# Altium PCB kunkun.PcbDoc (part 1 of 8)
Units mil, origin at the board's own origin, x right, y up, seen from the top; angles counter-clockwise.
Board outline 11417.32 x 6911.54 mil, 2 copper layers (Top Layer, Bottom Layer), stack 28 mil thick; 1172 components, 690 nets, 3402 pads, 1297 vias.
Unrouted connection lines stored in the file: 210.
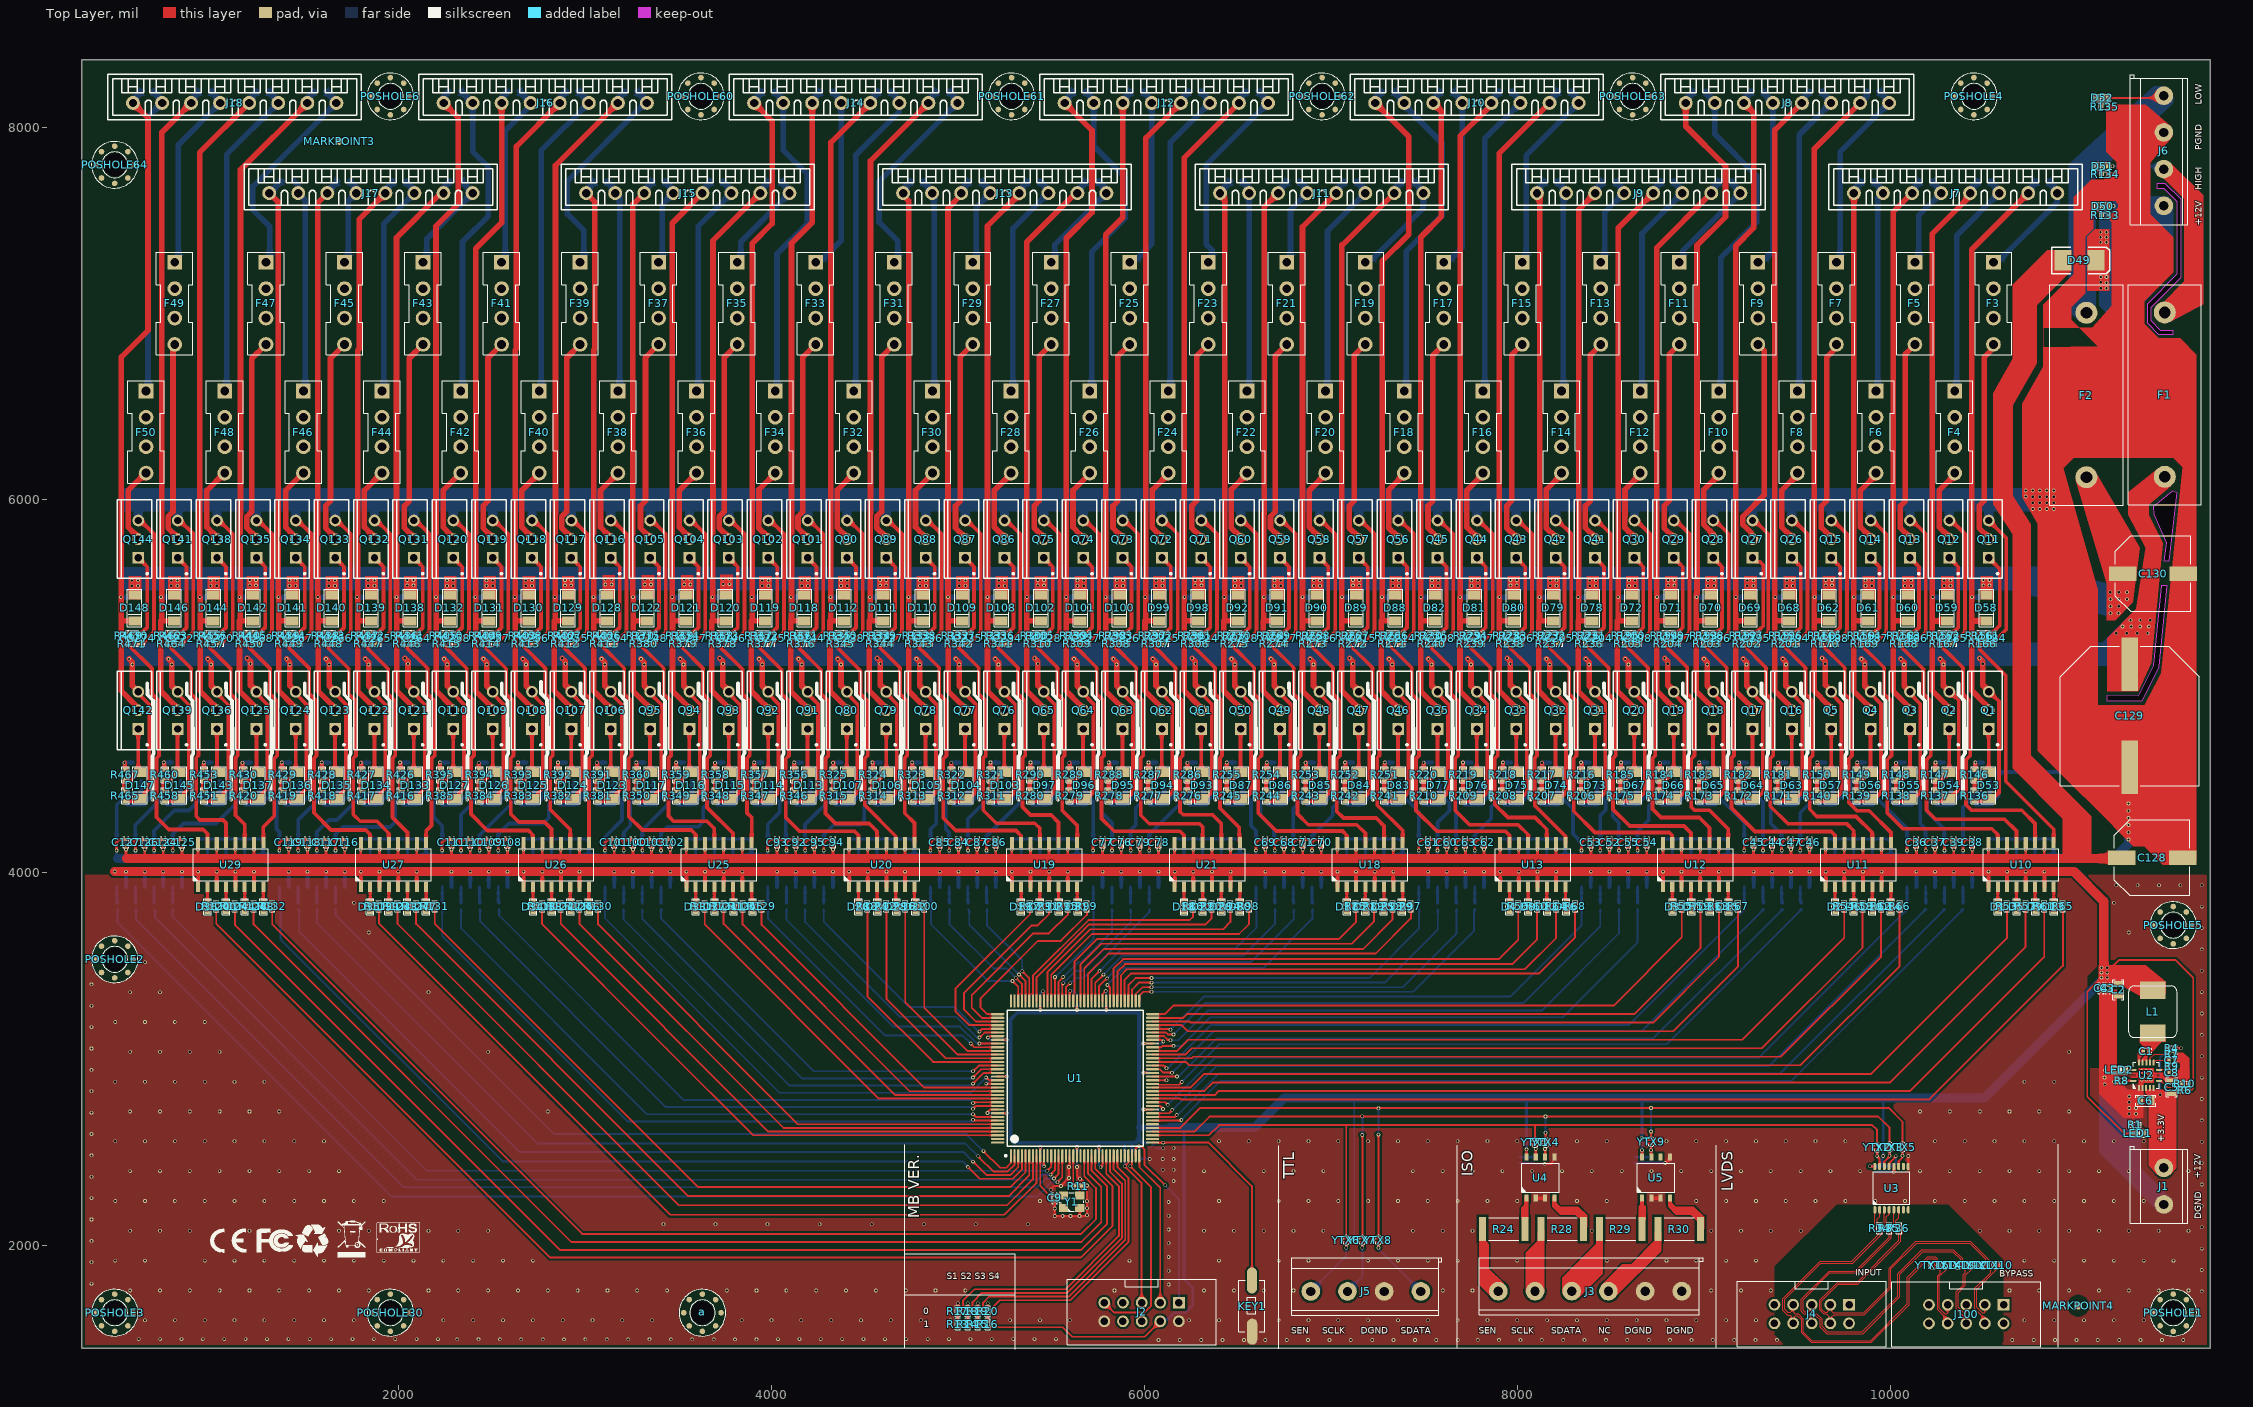
[diagram p0: Top Layer view]
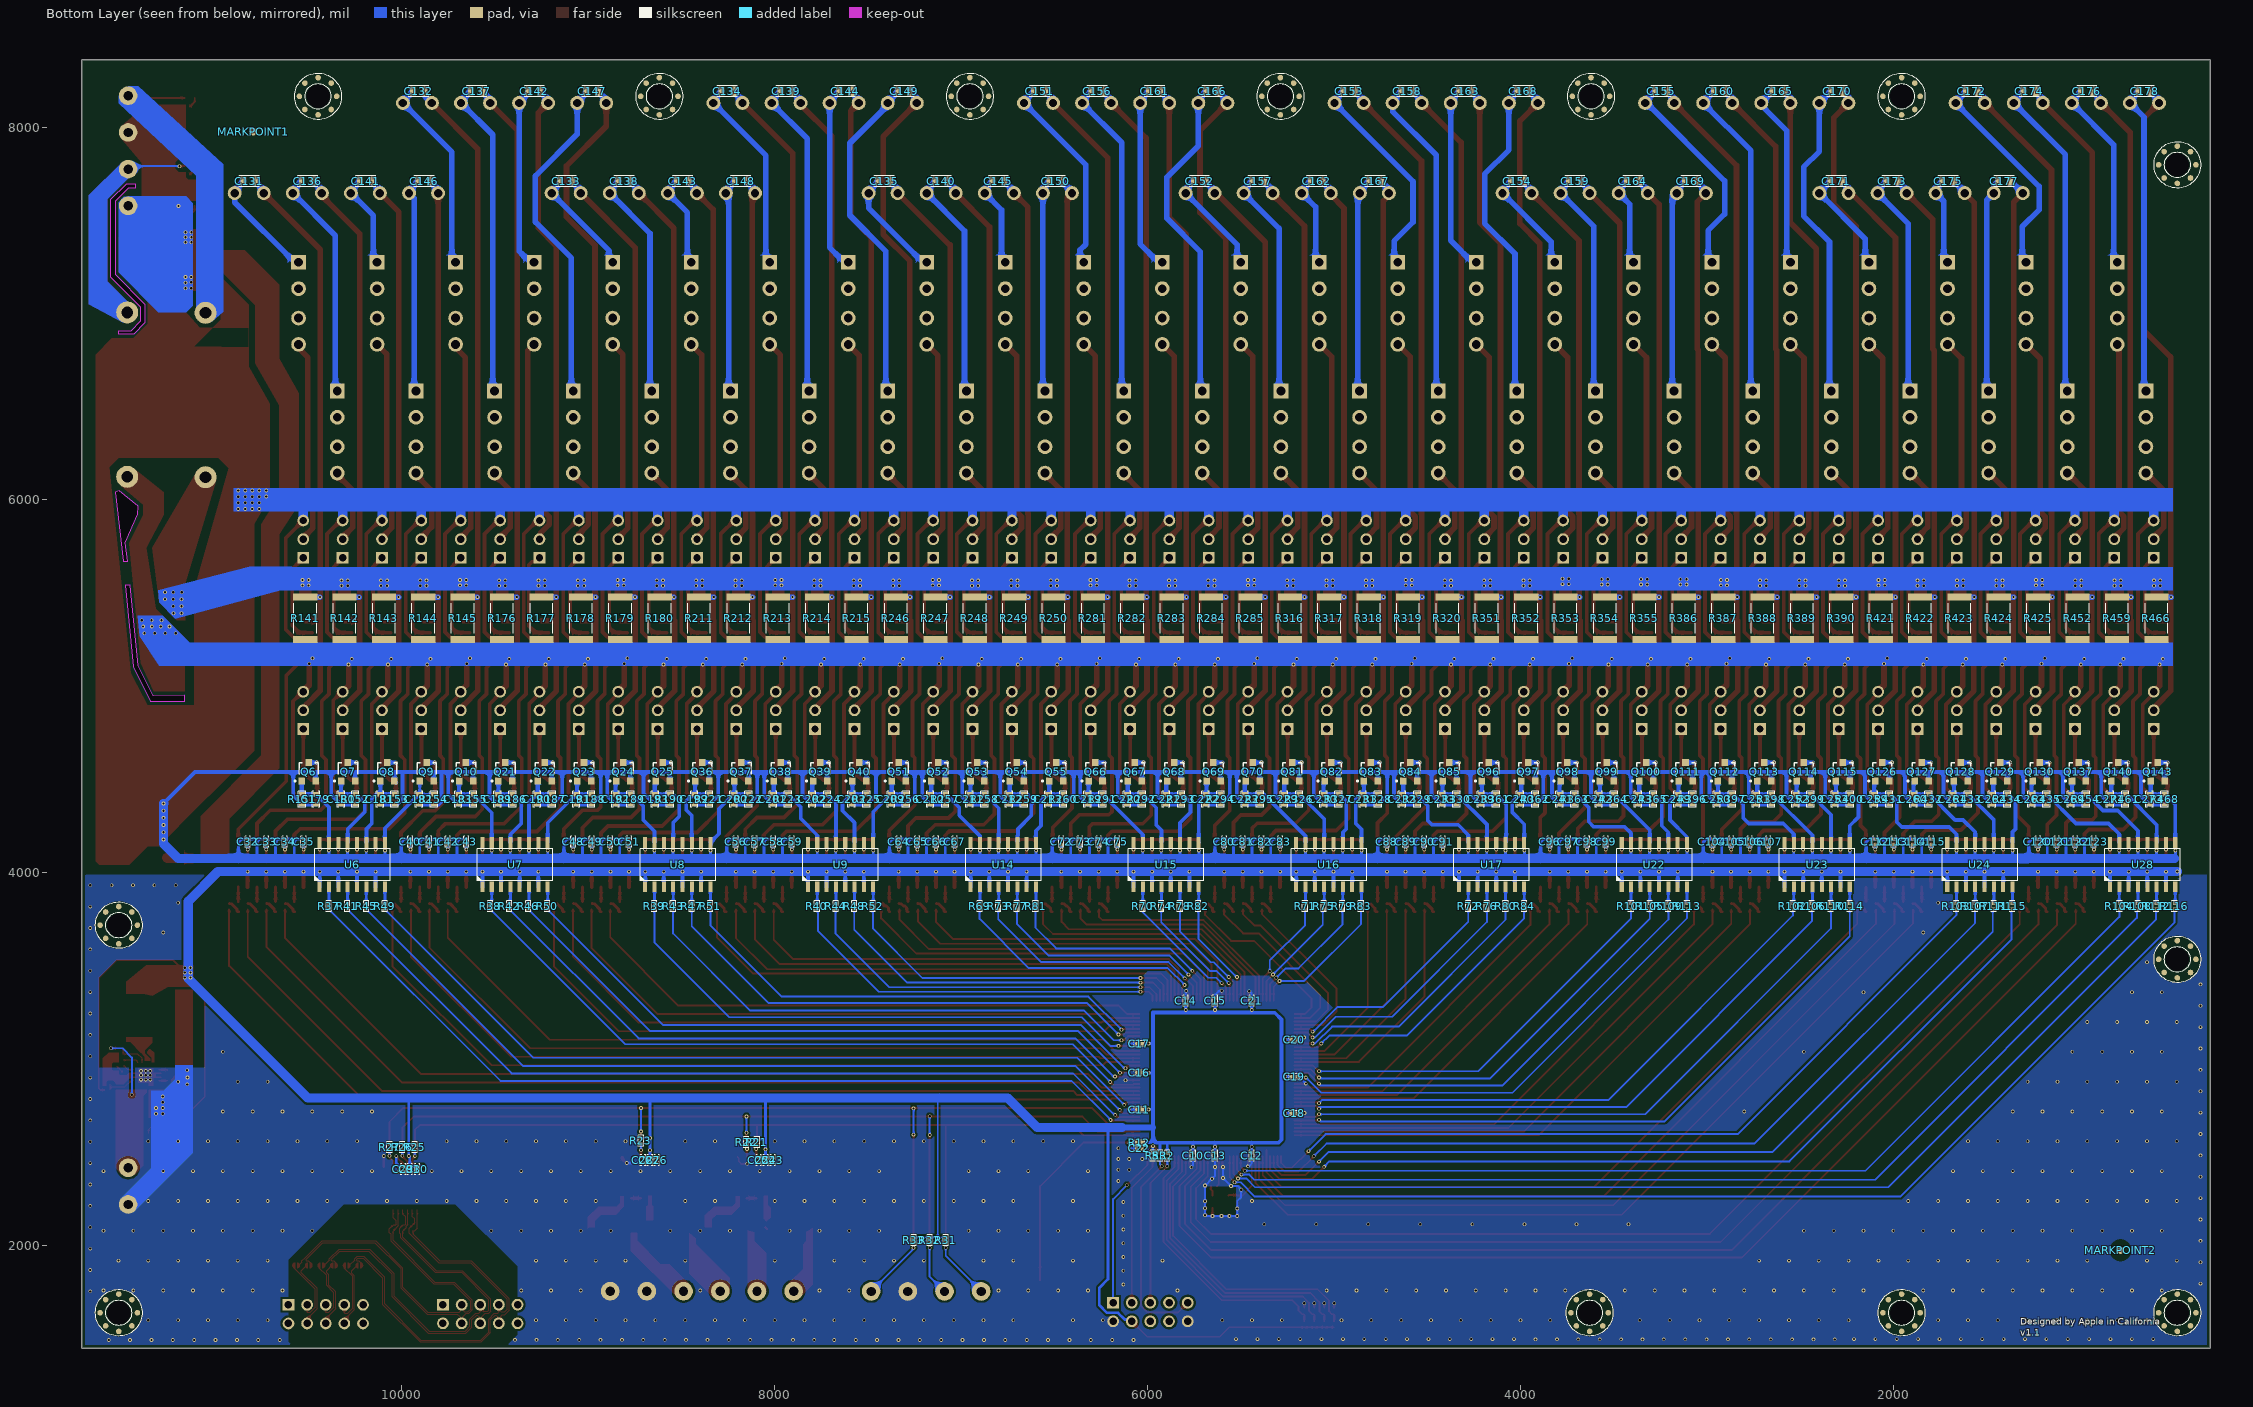
[diagram p1: Bottom Layer view, seen from below]

## Layer stack, top to bottom
Top Solder: solder mask 0.4, Solder Resist, Dk 3.5
Top Layer: signal copper 1.4
Dielectric 1: dielectric 12.6, FR-4, Dk 4.8
Dielectric2: dielectric 12.6, FR-4, Dk 4.8
Bottom Layer: signal copper 1.4
Bottom Solder: solder mask 0.4, Solder Resist, Dk 3.5

## Board outline
300,1450 300,8361.54 11717.32,8361.54 11717.32,1450
cut-out: 11399.19,6960.21 11399.19,7034.07 11560.07,7194.95 11560.07,7612.57 11475.72,7696.92 11429.72,7696.92 11429.72,7671.38 11468.26,7671.38 11538.34,7601.29 11538.34,7210.04 11377.66,7049.36 11377.66,6949.73 11439.03,6888.36 11519.24,6888.36 11519.24,6908.58 11450.82,6908.58
cut-out: 11163.35,4921.37 11163.35,4952.36 11332.62,4949.38 11413.67,5109.7 11457.18,5542.27 11484.63,5542.27 11441.64,5105.15 11348.47,4920.57
cut-out: 11482.7,5769.74 11417.49,5922.15 11414.97,5967.08 11514.95,6049.28 11537.02,6041.3 11494.21,5671.29 11470.97,5672.37

## Design rules (kind name [scope] priority, off if disabled: settings)
BoardOutlineClearance BoardOutlineClearance_component [OnLayer('Top Overlay') or OnLayer('Bottom Overlay')] p1: gap=0 ignorepadtopadclearanceinfootprint=FALSE
BoardOutlineClearance [All] p2: gap=11.81 ignorepadtopadclearanceinfootprint=FALSE except(19.68: Poly-OutlineEdge Poly-CavityEdge Poly-CutoutEdge Poly-SplitBarrior Poly-SplitContinuation)
Clearance [All] p1: gap=5 ignorepadtopadclearanceinfootprint=TRUE except(8: Poly-Region Poly-Text Poly-Hole; 12: Arc-Poly Track-Poly SMDPad-Poly THPad-Poly Via-Poly Fill-Poly Poly-Poly)
HoleSize [All] p1: absolutevalues=TRUE maxlimit=248.03 minlimit=11.81 maxpercent=80.000 minpercent=20.000
HoleToHoleClearance [All] p1: gap=7 allowstackedmicrovias=TRUE
MinimumSolderMaskSliver [All] p1 off: minsoldermaskwidth=10
PlaneClearance [All] p1: clearance=8
PlaneConnect [All] p1: planeconnectstyle=Direct reliefexpansion=20 reliefentries=4 reliefconductorwidth=10 reliefairgap=10
PolygonConnect [All] p1: connectstyle=Direct reliefconductorwidth=10 reliefentries=4 polygonreliefangle="90 Angle" airgapwidth=10
RoutingVias [All] p1: holewidth=11.81 width=0 viastyle="Through Hole" minholewidth=11.81 minwidth=19.68 maxholewidth=11.81 maxwidth=19.68
SilkToSilkClearance [All] p1 off: silktosilkclearance=10
SilkToSolderMaskClearance [IsPad] p1 off: minsilkscreentomaskgap=10 clearancetoexposedcopper=TRUE
SolderMaskExpansion SolderMaskExpansion_VIA [IsVia] p1: expansion=4 istentingtop=TRUE
SolderMaskExpansion [All] p2: expansion=0 istentingtop=FALSE
Width Width_PPOWER [InNetClass('PPOWER')] p1: maxlimit=500 minlimit=10 preferedwidth=20
Width Width_DPOWER [InNetClass('DPOWER')] p2: maxlimit=500 minlimit=10 preferedwidth=15
Width [All] p3: maxlimit=500 minlimit=5 preferedwidth=10
23 further rules are at their usual default settings.

## Classes and differential pairs
net class PPOWER: P12 PGND PHIGH PLOW
net class DPOWER: DGND VCC3.3 VCC12

## Components (designator, comment, footprint, x,y, rotation, side; value= is the part's Value field where it differs from the comment)
a "POSHOLE" POSHOLE-3.2 3629.46,1640.57 r90 top (schematic designator POSHOLE3)
C1 "C-NOMO" C0402 11372.89,3044.3 r0 top value=100nF
C2 "C-NOMO" C0805 11223.36,3372.12 r90 top value=47uF
C3 "C-NOMO" C0402 11167.63,3381.38 r90 top value=100nF
C4 "C-NOMO" C0402 11130.91,3381.1 r90 top value=100nF
C5 "C-NOMO" C0805 11510.24,2850.9 r270 top value=10uF
C6 "C-NOMO" C0805 11370.68,2778.84 r0 top value=4.7uF
C7 "C-NOMO" C0402 11510.83,2994.08 r180 top value=10n
C8 "C-NOMO" C0402 11510.83,2928.9 r180 top value=8200pF
C9 "C-NOMO" C0402 5519.4,2255.98 r90 top value=100nF
C10 "C-NOMO" C0402 5756.44,2482.2 r90 bottom value=0.1uF
C11 "C-NOMO" C0402 6043.84,2730.23 r180 bottom value=0.1uF
C12 "C-NOMO" C0402 5441.48,2482.2 r90 bottom value=0.1uF
C13 "C-NOMO" C0402 5638.33,2482.2 r90 bottom value=0.1uF
C14 "C-NOMO" C0402 5795.81,3312.91 r270 bottom value=0.1uF
C15 "C-NOMO" C0402 5638.33,3312.91 r270 bottom value=0.1uF
C16 "C-NOMO" C0402 6043.84,2927.09 r180 bottom value=0.1uF
C17 "C-NOMO" C0402 6043.84,3084.57 r180 bottom value=0.1uF
C18 "C-NOMO" C0402 5213.14,2710.55 r0 bottom value=0.1uF
C19 "C-NOMO" C0402 5213.35,2907.62 r0 bottom value=0.1uF
C20 "C-NOMO" C0402 5213.14,3104.25 r0 bottom value=0.1uF
C21 "C-NOMO" C0402 5441.48,3312.91 r270 bottom value=0.1uF
C22 "C-NOMO" C0402 6043.76,2522.71 r180 bottom value=1uF
C23 "C-NOMO" C0402 8011.12,2459.47 r90 bottom value=100nF
C24 "C-NOMO" C0402 8048.42,2459.47 r90 bottom value=1nF
C25 "C-NOMO" C0402 8085.73,2459.47 r90 bottom value=1nF
C26 "C-NOMO" C0402 8632,2459.47 r90 bottom value=100nF
C27 "C-NOMO" C0402 8669.3,2459.47 r90 bottom value=1nF
C28 "C-NOMO" C0402 8706.6,2459.47 r90 bottom value=1nF
C29 "C-NOMO" C0402 9993.21,2410.29 r90 bottom value=100nF
C30 "C-NOMO" C0402 9918.23,2410.74 r90 bottom value=1nF
C31 "C-NOMO" C0402 9957.26,2410.74 r90 bottom value=1nF
C32 "C-NOMO" C0402 10827.22,4166.05 r270 bottom value=100nF
C33 "C-NOMO" C0402 10727.22,4166.05 r270 bottom value=100nF
C34 "C-NOMO" C0402 10627.22,4166.05 r270 bottom value=100nF
C35 "C-NOMO" C0402 10527.22,4166.05 r270 bottom value=100nF
C36 "C-NOMO" C0402 10140.74,4162.81 r270 top value=100nF
C37 "C-NOMO" C0402 10240.74,4162.81 r270 top value=100nF
C38 "C-NOMO" C0402 10440.74,4162.81 r270 top value=100nF
C39 "C-NOMO" C0402 10340.74,4162.81 r270 top value=100nF
C40 "C-NOMO" C0402 9954.26,4166.05 r270 bottom value=100nF
C41 "C-NOMO" C0402 9854.26,4166.05 r270 bottom value=100nF
C42 "C-NOMO" C0402 9754.26,4166.05 r270 bottom value=100nF
C43 "C-NOMO" C0402 9654.26,4166.05 r270 bottom value=100nF
C44 "C-NOMO" C0402 9367.78,4162.81 r270 top value=100nF
C45 "C-NOMO" C0402 9267.78,4162.81 r270 top value=100nF
C46 "C-NOMO" C0402 9567.78,4162.81 r270 top value=100nF
C47 "C-NOMO" C0402 9467.78,4162.81 r270 top value=100nF
C48 "C-NOMO" C0402 9081.29,4166.05 r270 bottom value=100nF
C49 "C-NOMO" C0402 8981.29,4166.05 r270 bottom value=100nF
C50 "C-NOMO" C0402 8881.29,4166.05 r270 bottom value=100nF
C51 "C-NOMO" C0402 8781.29,4166.05 r270 bottom value=100nF
C52 "C-NOMO" C0402 8494.81,4162.81 r270 top value=100nF
C53 "C-NOMO" C0402 8394.81,4162.81 r270 top value=100nF
C54 "C-NOMO" C0402 8694.81,4162.81 r270 top value=100nF
C55 "C-NOMO" C0402 8594.81,4162.81 r270 top value=100nF
C56 "C-NOMO" C0402 8208.33,4166.05 r270 bottom value=100nF
C57 "C-NOMO" C0402 8108.33,4166.05 r270 bottom value=100nF
C58 "C-NOMO" C0402 8008.33,4166.05 r270 bottom value=100nF
C59 "C-NOMO" C0402 7908.33,4166.05 r270 bottom value=100nF
C60 "C-NOMO" C0402 7621.85,4162.81 r270 top value=100nF
C61 "C-NOMO" C0402 7521.85,4162.81 r270 top value=100nF
C62 "C-NOMO" C0402 7821.85,4162.81 r270 top value=100nF
C63 "C-NOMO" C0402 7721.85,4162.81 r270 top value=100nF
C64 "C-NOMO" C0402 7335.37,4166.05 r270 bottom value=100nF
C65 "C-NOMO" C0402 7235.37,4166.05 r270 bottom value=100nF
C66 "C-NOMO" C0402 7135.37,4166.05 r270 bottom value=100nF
C67 "C-NOMO" C0402 7035.37,4166.05 r270 bottom value=100nF
C68 "C-NOMO" C0402 6748.89,4162.81 r270 top value=100nF
C69 "C-NOMO" C0402 6648.89,4162.81 r270 top value=100nF
C70 "C-NOMO" C0402 6948.89,4162.81 r270 top value=100nF
C71 "C-NOMO" C0402 6848.89,4162.81 r270 top value=100nF
C72 "C-NOMO" C0402 6462.4,4166.05 r270 bottom value=100nF
C73 "C-NOMO" C0402 6362.4,4166.05 r270 bottom value=100nF
C74 "C-NOMO" C0402 6262.4,4166.05 r270 bottom value=100nF
C75 "C-NOMO" C0402 6162.4,4166.05 r270 bottom value=100nF
C76 "C-NOMO" C0402 5875.92,4162.81 r270 top value=100nF
C77 "C-NOMO" C0402 5775.92,4162.81 r270 top value=100nF
C78 "C-NOMO" C0402 6075.92,4162.81 r270 top value=100nF
C79 "C-NOMO" C0402 5975.92,4162.81 r270 top value=100nF
C80 "C-NOMO" C0402 5589.44,4166.05 r270 bottom value=100nF
C81 "C-NOMO" C0402 5489.44,4166.05 r270 bottom value=100nF
C82 "C-NOMO" C0402 5389.44,4166.05 r270 bottom value=100nF
C83 "C-NOMO" C0402 5289.44,4166.05 r270 bottom value=100nF
C84 "C-NOMO" C0402 5002.96,4162.81 r270 top value=100nF
C85 "C-NOMO" C0402 4902.96,4162.81 r270 top value=100nF
C86 "C-NOMO" C0402 5202.96,4162.81 r270 top value=100nF
C87 "C-NOMO" C0402 5102.96,4162.81 r270 top value=100nF
C88 "C-NOMO" C0402 4716.48,4166.05 r270 bottom value=100nF
C89 "C-NOMO" C0402 4616.48,4166.05 r270 bottom value=100nF
C90 "C-NOMO" C0402 4516.48,4166.05 r270 bottom value=100nF
C91 "C-NOMO" C0402 4416.48,4166.05 r270 bottom value=100nF
C92 "C-NOMO" C0402 4130,4162.81 r270 top value=100nF
C93 "C-NOMO" C0402 4030,4162.81 r270 top value=100nF
C94 "C-NOMO" C0402 4330,4162.81 r270 top value=100nF
C95 "C-NOMO" C0402 4230,4162.81 r270 top value=100nF
C96 "C-NOMO" C0402 3843.51,4166.05 r270 bottom value=100nF
C97 "C-NOMO" C0402 3743.51,4166.05 r270 bottom value=100nF
C98 "C-NOMO" C0402 3643.51,4166.05 r270 bottom value=100nF
C99 "C-NOMO" C0402 3543.51,4166.05 r270 bottom value=100nF
C100 "C-NOMO" C0402 3257.03,4162.81 r270 top value=100nF
C101 "C-NOMO" C0402 3157.03,4162.81 r270 top value=100nF
C102 "C-NOMO" C0402 3457.03,4162.81 r270 top value=100nF
C103 "C-NOMO" C0402 3357.03,4162.81 r270 top value=100nF
C104 "C-NOMO" C0402 2970.55,4166.05 r270 bottom value=100nF
C105 "C-NOMO" C0402 2870.55,4166.05 r270 bottom value=100nF
C106 "C-NOMO" C0402 2770.55,4166.05 r270 bottom value=100nF
C107 "C-NOMO" C0402 2670.55,4166.05 r270 bottom value=100nF
C108 "C-NOMO" C0402 2584.07,4162.81 r270 top value=100nF
C109 "C-NOMO" C0402 2484.07,4162.81 r270 top value=100nF
C110 "C-NOMO" C0402 2384.07,4162.81 r270 top value=100nF
C111 "C-NOMO" C0402 2284.07,4162.81 r270 top value=100nF
C112 "C-NOMO" C0402 2097.59,4166.05 r270 bottom value=100nF
C113 "C-NOMO" C0402 1997.59,4166.05 r270 bottom value=100nF
C114 "C-NOMO" C0402 1897.59,4166.05 r270 bottom value=100nF
C115 "C-NOMO" C0402 1797.59,4166.05 r270 bottom value=100nF
C116 "C-NOMO" C0402 1711.11,4162.81 r270 top value=100nF
C117 "C-NOMO" C0402 1611.11,4162.81 r270 top value=100nF
C118 "C-NOMO" C0402 1511.11,4162.81 r270 top value=100nF
C119 "C-NOMO" C0402 1411.11,4162.81 r270 top value=100nF
C120 "C-NOMO" C0402 1224.62,4166.05 r270 bottom value=100nF
C121 "C-NOMO" C0402 1124.62,4166.05 r270 bottom value=100nF
C122 "C-NOMO" C0402 1024.62,4166.05 r270 bottom value=100nF
C123 "C-NOMO" C0402 924.62,4166.05 r270 bottom value=100nF
C124 "C-NOMO" C0402 738.14,4162.81 r270 top value=100nF
C125 "C-NOMO" C0402 838.14,4162.81 r270 top value=100nF
C126 "C-NOMO" C0402 638.14,4162.81 r270 top value=100nF
C127 "C-NOMO" C0402 538.14,4162.81 r270 top value=100nF
C128 "C-POL" C_10_10R2 11404.84,4081.59 r0 top value=470uF
C129 "C-POL" C_18_21 11285.03,4841.99 r270 top value=470uF
C130 "C-POL" C_10_10R2 11409.84,5604.96 r0 top value=470uF
C131 "C-NOMO" C0805 10817.78,7710.04 r0 bottom value=1uF
C132 "C-NOMO" C0805 9908.79,8192.3 r0 bottom value=1uF
C133 "C-NOMO" C0805 9118.74,7710.04 r0 bottom value=1uF
C134 "C-NOMO" C0805 8253.82,8192.3 r0 bottom value=1uF
C135 "C-NOMO" C0805 7412.46,7710.04 r0 bottom value=1uF
C136 "C-NOMO" C0805 10505.29,7710.04 r0 bottom value=1uF
C137 "C-NOMO" C0805 9598.86,8192.3 r0 bottom value=1uF
C138 "C-NOMO" C0805 8806.33,7710.04 r0 bottom value=1uF
C139 "C-NOMO" C0805 7937.92,8192.3 r0 bottom value=1uF
C140 "C-NOMO" C0805 7106.32,7710.04 r0 bottom value=1uF
C141 "C-NOMO" C0805 10192.81,7710.04 r0 bottom value=1uF
C142 "C-NOMO" C0805 9288.94,8192.3 r0 bottom value=1uF
C143 "C-NOMO" C0805 8493.92,7710.04 r0 bottom value=1uF
C144 "C-NOMO" C0805 7622.02,8192.3 r0 bottom value=1uF
C145 "C-NOMO" C0805 6800.17,7710.04 r0 bottom value=1uF
C146 "C-NOMO" C0805 9880.33,7710.04 r0 bottom value=1uF
C147 "C-NOMO" C0805 8979.01,8192.3 r0 bottom value=1uF
C148 "C-NOMO" C0805 8181.5,7710.04 r0 bottom value=1uF
C149 "C-NOMO" C0805 7306.12,8192.3 r0 bottom value=1uF
C150 "C-NOMO" C0805 6494.02,7710.04 r0 bottom value=1uF
C151 "C-NOMO" C0805 6578.39,8192.3 r0 bottom value=1uF
C152 "C-NOMO" C0805 5721.34,7710.04 r0 bottom value=1uF
C153 "C-NOMO" C0805 4918.8,8192.3 r0 bottom value=1uF
C154 "C-NOMO" C0805 4018.62,7710.04 r0 bottom value=1uF
C155 "C-NOMO" C0805 3245.54,8192.3 r0 bottom value=1uF
C156 "C-NOMO" C0805 6270.11,8192.3 r0 bottom value=1uF
C157 "C-NOMO" C0805 5407.4,7710.04 r0 bottom value=1uF
C158 "C-NOMO" C0805 4607.34,8192.3 r0 bottom value=1uF
C159 "C-NOMO" C0805 3707.66,7710.04 r0 bottom value=1uF
C160 "C-NOMO" C0805 2930.85,8192.3 r0 bottom value=1uF
C161 "C-NOMO" C0805 5961.83,8192.3 r0 bottom value=1uF
C162 "C-NOMO" C0805 5093.47,7710.04 r0 bottom value=1uF
C163 "C-NOMO" C0805 4295.88,8192.3 r0 bottom value=1uF
C164 "C-NOMO" C0805 3396.7,7710.04 r0 bottom value=1uF
C165 "C-NOMO" C0805 2616.16,8192.3 r0 bottom value=1uF
C166 "C-NOMO" C0805 5653.55,8192.3 r0 bottom value=1uF
C167 "C-NOMO" C0805 4779.54,7710.04 r0 bottom value=1uF
C168 "C-NOMO" C0805 3984.42,8192.3 r0 bottom value=1uF
C169 "C-NOMO" C0805 3085.74,7710.04 r0 bottom value=1uF
C170 "C-NOMO" C0805 2301.47,8192.3 r0 bottom value=1uF
C171 "C-NOMO" C0805 2306.21,7710.04 r0 bottom value=1uF
C172 "C-NOMO" C0805 1578.75,8192.3 r0 bottom value=1uF
C173 "C-NOMO" C0805 2006.17,7710.04 r0 bottom value=1uF
C174 "C-NOMO" C0805 1270.16,8192.3 r0 bottom value=1uF
C175 "C-NOMO" C0805 1706.13,7710.04 r0 bottom value=1uF
C176 "C-NOMO" C0805 961.56,8192.3 r0 bottom value=1uF
C177 "C-NOMO" C0805 1406.08,7710.04 r0 bottom value=1uF
C178 "C-NOMO" C0805 652.97,8192.3 r0 bottom value=1uF
C179 "C-NOMO" C0603 10460.7,4394.18 r90 bottom value=1nF
C180 "C-NOMO" C0603 10326.26,4394.18 r90 bottom value=1nF
C181 "C-NOMO" C0603 10117.7,4394.18 r90 bottom value=1nF
C182 "C-NOMO" C0603 9908.69,4394.18 r90 bottom value=1nF
C183 "C-NOMO" C0603 9697.73,4394.18 r90 bottom value=1nF
C184 "C-NOMO" C0603 10548.64,5258.89 r90 top value=1nF
C185 "C-NOMO" C0603 10337.36,5258.89 r90 top value=1nF
C186 "C-NOMO" C0603 10126.09,5258.89 r90 top value=1nF
C187 "C-NOMO" C0603 9914.81,5258.89 r90 top value=1nF
C188 "C-NOMO" C0603 9703.53,5258.89 r90 top value=1nF
C189 "C-NOMO" C0603 9486.78,4394.18 r90 bottom value=1nF
C190 "C-NOMO" C0603 9275.82,4394.18 r90 bottom value=1nF
C191 "C-NOMO" C0603 9064.86,4394.18 r90 bottom value=1nF
C192 "C-NOMO" C0603 8853.91,4394.18 r90 bottom value=1nF
C193 "C-NOMO" C0603 8642.95,4394.18 r90 bottom value=1nF
C194 "C-NOMO" C0603 9492.26,5258.89 r90 top value=1nF
C195 "C-NOMO" C0603 9280.98,5258.89 r90 top value=1nF
C196 "C-NOMO" C0603 9069.7,5258.89 r90 top value=1nF
C197 "C-NOMO" C0603 8858.43,5258.89 r90 top value=1nF
C198 "C-NOMO" C0603 8647.15,5258.89 r90 top value=1nF
C199 "C-NOMO" C0603 8431.99,4394.18 r90 bottom value=1nF
C200 "C-NOMO" C0603 8221.03,4394.18 r90 bottom value=1nF
C201 "C-NOMO" C0603 8010.08,4394.18 r90 bottom value=1nF
C202 "C-NOMO" C0603 7799.12,4394.18 r90 bottom value=1nF
C203 "C-NOMO" C0603 7588.16,4394.18 r90 bottom value=1nF
C204 "C-NOMO" C0603 8435.87,5258.89 r90 top value=1nF
C205 "C-NOMO" C0603 8224.6,5258.89 r90 top value=1nF
C206 "C-NOMO" C0603 8013.32,5258.89 r90 top value=1nF
C207 "C-NOMO" C0603 7802.04,5258.89 r90 top value=1nF
C208 "C-NOMO" C0603 7590.77,5258.89 r90 top value=1nF
C209 "C-NOMO" C0603 7377.2,4394.18 r90 bottom value=1nF
C210 "C-NOMO" C0603 7166.25,4394.18 r90 bottom value=1nF
C211 "C-NOMO" C0603 6955.29,4394.18 r90 bottom value=1nF
C212 "C-NOMO" C0603 6744.33,4394.18 r90 bottom value=1nF
C213 "C-NOMO" C0603 6533.38,4394.18 r90 bottom value=1nF
C214 "C-NOMO" C0603 7379.49,5258.89 r90 top value=1nF
C215 "C-NOMO" C0603 7168.21,5258.89 r90 top value=1nF
C216 "C-NOMO" C0603 6956.94,5258.89 r90 top value=1nF
C217 "C-NOMO" C0603 6745.66,5258.89 r90 top value=1nF
C218 "C-NOMO" C0603 6534.38,5258.89 r90 top value=1nF
C219 "C-NOMO" C0603 6322.42,4394.18 r90 bottom value=1nF
C220 "C-NOMO" C0603 6111.46,4394.18 r90 bottom value=1nF
C221 "C-NOMO" C0603 5900.5,4394.18 r90 bottom value=1nF
C222 "C-NOMO" C0603 5689.55,4394.18 r90 bottom value=1nF
C223 "C-NOMO" C0603 5478.59,4394.18 r90 bottom value=1nF
C224 "C-NOMO" C0603 6323.11,5258.89 r90 top value=1nF
C225 "C-NOMO" C0603 6111.83,5258.89 r90 top value=1nF
C226 "C-NOMO" C0603 5900.55,5258.89 r90 top value=1nF
C227 "C-NOMO" C0603 5689.28,5258.89 r90 top value=1nF
C228 "C-NOMO" C0603 5478,5258.89 r90 top value=1nF
C229 "C-NOMO" C0603 5267.63,4394.18 r90 bottom value=1nF
C230 "C-NOMO" C0603 5056.67,4394.18 r90 bottom value=1nF
C231 "C-NOMO" C0603 4845.72,4394.18 r90 bottom value=1nF
C232 "C-NOMO" C0603 4634.76,4394.18 r90 bottom value=1nF
C233 "C-NOMO" C0603 4423.8,4394.18 r90 bottom value=1nF
C234 "C-NOMO" C0603 5266.72,5258.89 r90 top value=1nF
C235 "C-NOMO" C0603 5055.45,5258.89 r90 top value=1nF
C236 "C-NOMO" C0603 4844.17,5258.89 r90 top value=1nF
C237 "C-NOMO" C0603 4632.89,5258.89 r90 top value=1nF
C238 "C-NOMO" C0603 4421.62,5258.89 r90 top value=1nF
C239 "C-NOMO" C0603 4212.84,4394.18 r90 bottom value=1nF
C240 "C-NOMO" C0603 4001.89,4394.18 r90 bottom value=1nF
C241 "C-NOMO" C0603 3790.93,4394.18 r90 bottom value=1nF
C242 "C-NOMO" C0603 3579.97,4394.18 r90 bottom value=1nF
C243 "C-NOMO" C0603 3369.02,4394.18 r90 bottom value=1nF
C244 "C-NOMO" C0603 4210.34,5258.89 r90 top value=1nF
C245 "C-NOMO" C0603 3999.06,5258.89 r90 top value=1nF
C246 "C-NOMO" C0603 3787.79,5258.89 r90 top value=1nF
C247 "C-NOMO" C0603 3576.51,5258.89 r90 top value=1nF
C248 "C-NOMO" C0603 3365.23,5258.89 r90 top value=1nF
C249 "C-NOMO" C0603 3158.06,4394.18 r90 bottom value=1nF
C250 "C-NOMO" C0603 2947.1,4394.18 r90 bottom value=1nF
C251 "C-NOMO" C0603 2736.14,4394.18 r90 bottom value=1nF
C252 "C-NOMO" C0603 2525.19,4394.18 r90 bottom value=1nF
C253 "C-NOMO" C0603 2314.23,4394.18 r90 bottom value=1nF
C254 "C-NOMO" C0603 3153.96,5258.89 r90 top value=1nF
C255 "C-NOMO" C0603 2942.68,5258.89 r90 top value=1nF
C256 "C-NOMO" C0603 2731.4,5258.89 r90 top value=1nF
C257 "C-NOMO" C0603 2520.13,5258.89 r90 top value=1nF
C258 "C-NOMO" C0603 2308.85,5258.89 r90 top value=1nF
C259 "C-NOMO" C0603 2103.27,4394.18 r90 bottom value=1nF
C260 "C-NOMO" C0603 1892.31,4394.18 r90 bottom value=1nF
C261 "C-NOMO" C0603 1681.36,4394.18 r90 bottom value=1nF
C262 "C-NOMO" C0603 1470.4,4394.18 r90 bottom value=1nF